# KiCad board SimulTypeUltra.kicad_pcb (continued)
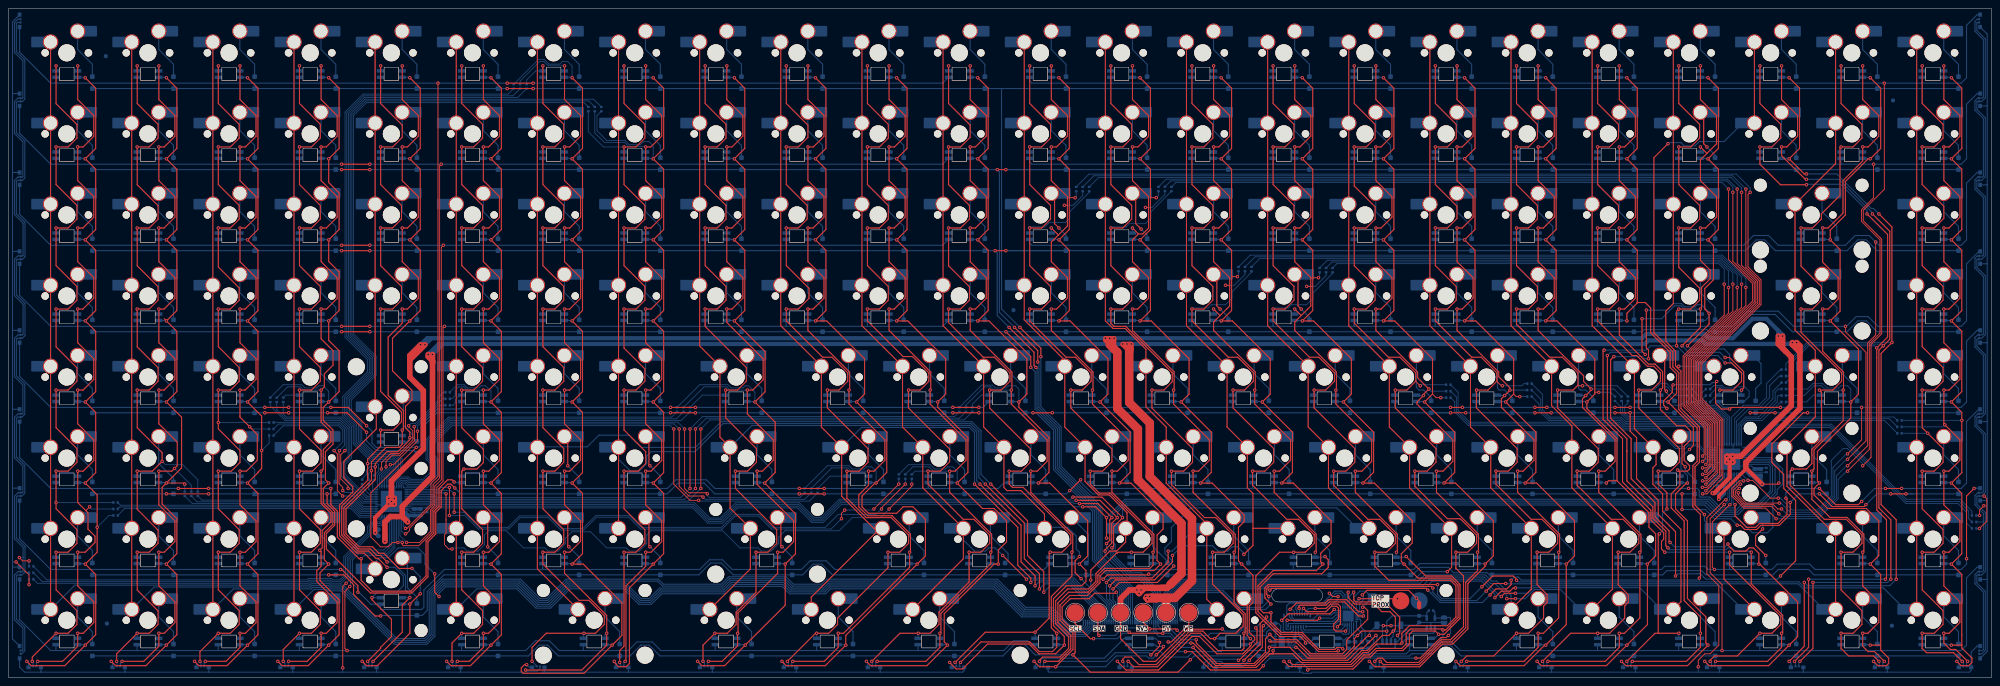
[diagram p0: board, top side]
## Routing (per net, layer and track width the routed paths; a pad name or vN(x,y) marks a point on that pad's centre or on a via; arc(x,y) is an arc through that point) (continued)
  Bottom w0.2: R54.1 v1(11.16,41.13)
  Bottom w0.25: 11.13,66.36 11.13,67.52 v1(11.16,67.54) ; 11.13,47.31 11.13,48.47 v1(11.16,48.49) ; 11.13,142.56 11.13,143.72 v1(11.16,143.75) ; v1(11.16,86.59) 11.13,86.57 11.13,85.41 ; v1(11.16,10.39) 11.13,10.37 11.13,9.21 ; 11.13,28.26 11.13,29.42 v1(11.16,29.44) ; 11.13,123.51 11.13,124.67 v1(11.16,124.69) ; v1(11.16,105.64) 11.13,105.62 11.13,104.46 ; LED190.3 5.77,3.6 v1(5.58,3.79)
/B3c: length 206.8
  Top w0.25: v1(25.39,3.79) 25.39,5.57 v1(30.21,10.39) 33.03,10.39 35.11,12.48 35.11,15.66 30.21,20.55 v1(30.21,29.44) 33.03,29.44 35.11,31.53 35.11,34.63 30.21,39.53 v1(30.21,48.49) 33.77,48.49 v1(36.06,50.78) 36.06,52.86 30.21,58.7 v1(30.21,67.54) 33.03,67.54 35.11,69.63 35.11,72.81 30.21,77.7 v1(30.21,86.59) 33.03,86.59 35.11,88.68 35.11,91.86 30.21,96.75 v1(30.21,105.64) 33.03,105.64 35.11,107.73 35.11,110.91 30.21,115.8 v1(30.21,124.69) 33.03,124.69 35.11,126.78 35.11,130 30.21,134.9 v1(30.21,143.75)
  Bottom w0.2: R55.1 44.44,46.46 40.88,50.02 36.82,50.02 v1(36.06,50.78)
  Bottom w0.25: 30.18,123.51 30.18,124.67 v1(30.21,124.69) ; 30.18,28.26 30.18,29.42 v1(30.21,29.44) ; v1(30.21,86.59) 30.18,86.57 30.18,85.41 ; LED191.3 25.47,3.7 v1(25.39,3.79) ; v1(30.21,10.39) 30.18,10.37 30.18,9.21 ; v1(30.21,105.64) 30.18,105.62 30.18,104.46 ; v1(30.21,67.54) 30.18,67.52 30.18,66.36 ; 30.18,142.56 30.18,143.72 v1(30.21,143.75) ; 30.18,47.31 30.18,48.47 v1(30.21,48.49)
/B4c: length 204.7
  Top w0.25: v1(44.95,3.79) 44.95,6.08 v1(49.26,10.39) 52.08,10.39 54.16,12.48 54.16,15.7 49.26,20.6 v1(49.26,29.44) 52.08,29.44 54.16,31.53 54.16,34.75 49.26,39.65 v1(49.26,48.49) 52.31,48.49 54.34,50.53 54.34,53.34 49.26,58.42 v1(49.26,59.92) v1(49.26,67.54) 52.08,67.54 54.16,69.63 54.16,72.85 49.26,77.75 v1(49.26,86.59) 52.08,86.59 54.16,88.68 54.16,91.57 49.26,96.47 v1(49.26,105.64) 52.08,105.64 54.16,107.73 54.16,110.95 49.26,115.85 v1(49.26,124.69) 52.08,124.69 54.16,126.78 54.16,130 49.26,134.9 v1(49.26,143.75)
  Bottom w0.2: R56.1 v1(49.26,59.92)
  Bottom w0.25: v1(49.26,124.69) 49.23,124.67 LED27.3 ; LED51.3 49.23,105.62 v1(49.26,105.64) ; LED141.3 49.23,29.42 v1(49.26,29.44) ; LED192.3 45.18,3.56 v1(44.95,3.79) ; LED163.3 49.23,10.37 v1(49.26,10.39) ; v1(49.26,143.75) 49.23,143.72 LED3.3 ; LED97.3 49.23,67.52 v1(49.26,67.54) ; LED120.3 49.23,48.47 v1(49.26,48.49) ; v1(49.26,86.59) 49.23,86.57 LED74.3
/B5c: length 196.7
  Top w0.25: v1(68.31,143.75) 68.31,134.9 73.21,130 73.21,126.78 71.13,124.69 v1(68.31,124.69) 68.31,115.85 73.21,110.95 73.21,107.73 71.13,105.64 v1(68.31,105.64) 68.31,96.8 73.21,91.9 73.21,88.68 71.13,86.59 v1(68.31,86.59) 68.31,77.75 73.21,72.85 73.21,69.63 71.13,67.54 v1(68.31,67.54) 68.31,58.42 73.39,53.34 73.39,50.52 71.37,48.49 v1(68.31,48.49) 68.31,39.65 73.21,34.75 73.21,31.53 71.13,29.44 v1(68.31,29.44) 68.31,20.6 73.21,15.7 73.21,12.48 71.13,10.39 v1(68.31,10.39) 64.5,6.58 v1(64.5,3.79)
  Bottom w0.2: LED98.3 65.09,66.36 R57.1
  Bottom w0.25: LED142.3 68.28,29.42 v1(68.31,29.44) ; LED193.3 64.88,3.41 v1(64.5,3.79) ; LED52.3 68.28,105.62 v1(68.31,105.64) ; LED4.3 68.28,143.72 v1(68.31,143.75) ; v1(68.31,48.49) 68.28,48.47 LED121.3 ; v1(68.31,10.39) 68.28,10.37 LED164.3 ; v1(68.31,124.69) 68.28,124.67 LED28.3 ; LED75.3 68.28,86.57 v1(68.31,86.59) ; v1(68.31,67.54) 68.28,67.52 LED98.3
/B6c: length 200.6
  Top w0.25: v1(88.89,25.89) 86.77,28.01 86.26,28.01 84.57,29.7 82.03,29.7 78.22,33.51 78.22,40.24 84.32,46.34 v1(84.32,50.27) 84.32,51.29 87.36,54.34 v1(87.36,58.15) 90.3,58.15 92.26,60.1 92.26,62.35 87.36,67.25 v1(87.36,86.59) 90.18,86.59 92.26,88.68 92.26,91.9 87.36,96.8 v1(87.36,105.64) 90.18,105.64 92.26,107.73 92.26,110.95 87.36,115.85 v1(87.36,124.69) 90.18,124.69 92.44,126.96 92.44,129.82 87.36,134.9 v1(87.36,143.75) ; v1(85.33,18.78) 85.33,18.27 89.9,13.7 89.9,9.63 87.36,7.09 87.36,6.84 v1(84.32,3.79)
  Bottom w0.2: v1(84.32,50.27) 86.6,50.27 86.86,50.02 86.86,48.5 R58.1
  Bottom w0.25: LED194.3 84.59,3.52 v1(84.32,3.79) ; v1(87.36,105.64) 87.33,105.62 LED53.3 ; LED29.3 87.33,124.67 v1(87.36,124.69) ; LED76.3 87.33,86.57 v1(87.36,86.59) ; v1(87.36,58.15) 87.33,58.12 LED99.3 ; v1(87.36,143.75) 87.33,143.72 LED5.3 ; v1(88.89,25.89) 90.67,25.89 92.7,23.86 92.7,21.57 91.17,20.05 86.6,20.05 v1(85.33,18.78) 87.29,18.78 LED143.3
/B7c: length 196.9
  Top w0.25: v1(106.41,143.75) 106.41,134.9 111.31,130 111.31,126.78 109.23,124.69 v1(106.41,124.69) 106.41,115.85 111.31,110.95 111.31,107.73 109.23,105.64 v1(106.41,105.64) 106.41,96.8 111.31,91.9 111.31,88.68 109.23,86.59 v1(106.41,86.59) 106.41,77.75 111.31,72.85 111.31,69.63 109.23,67.54 v1(106.41,67.54) 106.41,58.7 111.49,53.62 111.49,50.52 109.98,49 v1(106.92,49) 106.41,48.49 106.41,39.65 111.31,34.75 111.31,31.53 109.23,29.44 v1(106.41,29.44) 106.41,20.6 111.31,15.7 111.31,12.48 109.23,10.39 v1(106.41,10.39) 104.13,8.11 v1(104.13,3.79)
  Bottom w0.2: 106.38,66.36 105.94,66.36 104.89,65.31 104.89,64.5 104.38,63.99 R59.1
  Bottom w0.25: v1(106.41,67.54) 106.38,67.52 106.38,66.36 ; v1(106.92,49) 106.38,48.47 106.38,47.31 ; v1(106.41,124.69) 106.38,124.67 106.38,123.51 ; 106.38,142.56 106.38,143.72 v1(106.41,143.75) ; v1(106.41,10.39) 106.38,10.37 106.38,9.21 ; v1(104.13,3.79) 104.29,3.63 LED195.3 ; 106.38,28.26 106.38,29.42 v1(106.41,29.44) ; 106.38,104.46 106.38,105.62 v1(106.41,105.64) ; v1(106.41,86.59) 106.38,86.57 106.38,85.41
/B8c: length 212.2
  Top w0.25: v1(122.92,3.79) 122.92,7.09 126.23,10.39 v1(135.12,10.39) 137.8,10.39 139.88,12.48 139.88,14.52 136.27,18.13 133.99,18.13 125.46,26.66 v1(125.46,29.44) 128.28,29.44 130.36,31.53 130.36,34.75 125.46,39.65 v1(125.46,48.49) 128.28,48.49 130.36,50.58 130.36,53.8 125.46,58.7 v1(125.46,67.54) 128.28,67.54 130.36,69.63 130.36,72.85 125.46,77.75 v1(125.46,86.59) 128.28,86.59 130.36,88.68 130.36,91.9 125.46,96.8 v1(125.46,105.64) 128.28,105.64 130.36,107.73 130.36,110.95 125.46,115.85 v1(125.46,124.69) 128.28,124.69 130.36,126.78 130.36,130 125.46,134.9 v1(125.46,143.75)
  Bottom w0.2: 125.43,142.56 123.77,142.56 121.65,140.44 R60.1
  Bottom w0.25: LED166.3 134.96,10.24 v1(135.12,10.39) ; v1(125.46,29.44) 125.43,29.42 125.43,28.26 ; LED196.3 123.99,2.72 v1(122.92,3.79) ; 125.43,66.36 125.43,67.52 v1(125.46,67.54) ; 125.43,47.31 125.43,48.47 v1(125.46,48.49) ; v1(125.46,105.64) 125.43,105.62 125.43,104.46 ; 125.43,123.51 125.43,124.67 v1(125.46,124.69) ; 125.43,142.56 125.43,143.72 v1(125.46,143.75) ; 125.43,85.41 125.43,86.57 v1(125.46,86.59)
/B9c: length 199.4
  Top w0.25: v1(143.5,3.54) 143.5,6.33 144.51,7.35 v1(144.51,29.44) 147.33,29.44 149.41,31.53 149.41,34.75 144.51,39.65 v1(144.51,48.49) 147.82,48.49 149.59,50.27 149.59,53.09 144.51,58.17 v1(144.51,67.54) 147.33,67.54 149.41,69.63 149.41,72.52 144.51,77.42 v1(144.51,86.59) 147.33,86.59 149.41,88.68 149.41,91.9 144.51,96.8 v1(144.51,105.64) 147.33,105.64 149.41,107.73 149.41,110.95 144.51,115.85 v1(144.51,124.69) 147.33,124.69 149.41,126.78 149.41,130 144.51,134.9 v1(144.51,143.75)
  Bottom w0.2: R61.1 136.13,128.25 139.69,124.69 v1(144.51,124.69)
  Bottom w0.25: v1(143.5,3.54) 143.7,3.34 LED197.3 ; LED102.3 144.48,67.52 v1(144.51,67.54) ; v1(144.51,86.59) 144.48,86.57 LED79.3 ; v1(144.51,29.44) 144.48,29.42 LED146.3 ; LED8.3 144.48,143.72 v1(144.51,143.75) ; LED124.3 144.48,48.47 v1(144.51,48.49) ; v1(144.51,124.69) 144.48,124.67 LED32.3 ; v1(144.51,105.64) 144.48,105.62 LED56.3
/B10c: length 206.3
  Top w0.25: v1(163.06,3.79) 163.06,7.6 v1(165.85,10.39) 168.76,10.39 170.84,12.48 170.84,15.37 175.5,20.03 v1(175.5,29.44) 178.28,29.44 180.37,31.53 180.37,34.74 170.68,44.43 v1(170.68,48.49) 173.52,48.49 175.6,50.58 175.6,53.8 168.39,61.02 v1(168.39,67.54) 171.14,67.54 173.22,69.63 173.22,72.85 163.56,82.51 v1(163.56,86.59) 166.38,86.59 168.46,88.68 168.46,91.9 163.56,96.8 v1(163.56,105.64) 166.38,105.64 168.46,107.73 168.46,110.95 163.56,115.85 v1(163.56,124.69) 166.38,124.69 168.46,126.78 168.46,130 163.56,134.9 v1(163.56,143.75)
  Bottom w0.2: LED103.3 162.89,66.36 R62.1
  Bottom w0.25: v1(168.39,67.54) 168.3,67.45 LED103.3 ; v1(165.85,10.39) 165.92,10.33 LED167.3 ; v1(175.5,29.44) 175.44,29.38 LED147.3 ; LED9.3 163.53,143.72 v1(163.56,143.75) ; LED80.3 163.53,86.57 v1(163.56,86.59) ; v1(170.68,48.49) 170.68,48.49 LED125.3 ; v1(163.06,3.79) 163.4,3.44 LED198.3 ; LED33.3 163.53,124.67 v1(163.56,124.69) ; LED57.3 163.53,105.62 v1(163.56,105.64)
/B11c: length 219.7
  Top w0.25: v1(182.61,143.75) 182.61,134.9 187.69,129.82 187.69,126.96 185.43,124.69 v1(182.61,124.69) 182.61,115.85 187.51,110.95 187.51,107.73 185.43,105.64 v1(182.61,105.64) 182.61,96.8 187.95,91.46 187.95,89.12 185.43,86.59 v1(182.61,86.59) 182.61,83.81 191.14,75.28 193.35,75.28 197.03,71.6 197.03,69.63 194.95,67.54 v1(192.27,67.54) 192.27,63.33 201.8,53.8 201.8,50.58 199.71,48.49 v1(196.84,48.49) 196.84,42.14 201.41,37.57 207.24,37.57 211.32,33.5 211.32,31.53 209.24,29.44 v1(206.49,29.44) 206.49,25.79 194.65,13.95 194.65,12.48 192.57,10.39 v1(189.73,10.39) 189.47,10.39 v1(182.87,3.79)
  Bottom w0.2: R63.1 192.86,47.31 LED126.3
  Bottom w0.25: v1(192.27,67.54) 192.11,67.39 LED104.3 ; v1(196.84,48.49) 196.87,48.46 LED126.3 ; LED148.3 206.4,29.35 v1(206.49,29.44) ; v1(189.73,10.39) 189.73,10.39 LED168.3 ; v1(182.61,143.75) 182.58,143.72 LED10.3 ; LED34.3 182.58,124.67 v1(182.61,124.69) ; v1(182.87,3.79) 183.11,3.55 LED199.3 ; LED81.3 182.58,86.57 v1(182.61,86.59) ; LED58.3 182.58,105.62 v1(182.61,105.64)
/B12c: length 215.4
  Top w0.25: v1(201.66,143.75) 201.66,134.9 206.56,130 206.56,126.78 204.48,124.69 v1(201.66,124.69) 201.66,115.85 206.56,110.95 206.56,107.73 204.48,105.64 v1(201.66,105.64) 201.66,96.8 206.56,91.9 206.56,88.68 204.48,86.59 v1(201.66,86.59) 201.66,83.81 210.05,75.42 212.26,75.42 216.08,71.6 216.08,69.63 214,67.54 v1(211.32,67.54) 211.32,63.33 220.97,53.68 220.97,50.7 218.76,48.49 v1(215.89,48.49) 215.89,45.45 224.16,37.18 226.69,37.18 230.37,33.5 230.37,31.53 228.29,29.44 v1(225.54,29.44) 225.54,22.45 218.47,15.37 218.47,12.48 216.38,10.39 v1(213.6,10.39) 209.28,10.39 v1(202.68,3.79)
  Bottom w0.2: v1(215.89,48.49) 212.84,48.49 R64.1
  Bottom w0.25: LED59.3 201.63,105.62 v1(201.66,105.64) ; v1(213.6,10.39) 213.54,10.33 LED169.3 ; v1(215.89,48.49) 215.92,48.46 LED127.3 ; LED35.3 201.63,124.67 v1(201.66,124.69) ; LED149.3 225.45,29.35 v1(225.54,29.44) ; LED11.3 201.63,143.72 v1(201.66,143.75) ; LED105.3 211.16,67.39 v1(211.32,67.54) ; LED82.3 201.63,86.57 v1(201.66,86.59) ; LED200.3 202.81,3.66 v1(202.68,3.79)
/B13c: length 219.9
  Top w0.25: v1(220.71,143.75) 220.71,134.9 225.79,129.82 225.79,126.96 223.53,124.69 v1(220.71,124.69) 220.71,115.85 225.61,110.95 225.61,107.73 223.53,105.64 v1(220.71,105.64) 220.71,96.75 225.61,91.86 225.61,88.68 223.53,86.59 v1(220.71,86.59) 220.71,83.4 228.84,75.28 231.45,75.28 235.13,71.6 235.13,69.63 233.05,67.54 v1(230.37,67.54) 230.37,63.33 239.9,53.8 239.9,50.58 237.81,48.49 v1(234.94,48.49) 234.94,45.45 235.7,44.69 238.23,44.69 249.42,33.5 249.42,31.53 247.34,29.44 v1(244.59,29.44) 244.34,29.19 244.34,13.95 v1(241.03,10.65) 229.35,10.65 v1(222.24,3.54)
  Bottom w0.2: LED106.3 228.42,66.36 226.3,64.24 R65.1
  Bottom w0.25: LED12.3 220.68,143.72 v1(220.71,143.75) ; v1(220.71,124.69) 220.68,124.67 LED36.3 ; v1(230.37,67.54) 230.21,67.39 LED106.3 ; LED177.3 241.03,9.27 v1(241.03,10.65) ; LED83.3 220.68,86.57 v1(220.71,86.59) ; LED201.3 222.52,3.26 v1(222.24,3.54) ; v1(234.94,48.49) 234.97,48.46 LED128.3 ; v1(244.59,29.44) 244.5,29.35 LED150.3 ; v1(220.71,105.64) 220.68,105.62 LED60.3
/B14c: length 256.9
  Top w0.25: v1(239.76,143.75) 239.76,134.9 244.66,130 244.66,126.78 242.58,124.69 v1(239.76,124.69) 239.76,115.85 244.66,110.95 244.66,107.73 242.58,105.64 v1(239.76,105.64) 239.76,96.8 244.66,91.9 244.66,88.68 242.58,86.59 v1(239.76,86.59) 239.76,83.81 248.29,75.28 250.5,75.28 254.18,71.6 254.18,69.63 252.1,67.54 v1(249.42,67.54) 249.42,63.33 259.07,53.68 259.07,50.7 256.86,48.49 v1(253.99,48.49) 253.99,45.45 256.08,43.35 258.62,43.35 268.47,33.5 268.47,31.53 266.39,29.44 v1(263.64,29.44) 260.54,29.44 260.34,29.25 260.14,29.25 255.32,24.42 255.32,22.59 253.54,20.81 248.65,20.81 245.86,18.01 245.86,12.68 248.91,9.63 248.91,6.84 246.88,4.81 242.81,4.81 242.05,4.04 v1(242.05,3.79)
  Bottom w0.2: v1(239.76,105.64) 240.02,105.9 243.32,105.9 244.34,106.91 248.15,106.91 249.16,107.93 249.16,109.45 253.73,114.03 R66.1
  Bottom w0.25: LED178.3 261.95,9.21 257.29,4.55 242.81,4.55 v1(242.05,3.79) 242.22,3.62 LED202.3 ; v1(239.76,105.64) 239.73,105.62 LED61.3 ; LED151.3 263.55,29.35 v1(263.64,29.44) ; v1(239.76,124.69) 239.73,124.67 LED37.3 ; v1(253.99,48.49) 254.02,48.46 LED129.3 ; LED107.3 249.26,67.39 v1(249.42,67.54) ; v1(239.76,143.75) 239.73,143.72 LED13.3 ; LED84.3 239.73,86.57 v1(239.76,86.59)
/B15c: length 247
  Top w0.25: v1(261.61,3.79) 261.61,4.3 262.12,4.81 263.64,4.81 265.42,3.03 269.48,3.03 277.36,10.9 280.4,10.9 282.18,9.12 v1(283.2,9.12) 284.47,10.39 288.18,10.39 289.9,12.12 289.9,14.74 282.69,21.95 v1(282.69,29.44) 285.44,29.44 287.52,31.53 287.52,33.5 283.44,37.57 280.82,37.57 273.04,45.35 v1(273.04,48.49) 275.91,48.49 278,50.58 278,53.8 268.47,63.33 v1(268.47,67.54) 271.26,67.54 273.23,69.52 273.23,71.6 262.3,82.53 259.58,82.53 258.81,83.29 v1(258.81,86.59) 261.63,86.59 263.71,88.68 263.71,91.9 258.81,96.8 v1(258.81,105.64) 261.63,105.64 263.71,107.73 263.71,110.95 258.81,115.85 v1(258.81,124.69) 261.63,124.69 263.71,126.78 263.71,130 258.81,134.9 v1(258.81,143.75)
  Bottom w0.2: v1(258.81,105.64) 259.07,105.9 262.37,105.9 263.13,106.66 266.94,106.66 268.21,107.93 268.21,109.45 273.04,114.28 R67.1
  Bottom w0.25: LED152.3 282.6,29.35 v1(282.69,29.44) ; LED85.3 258.78,86.57 v1(258.81,86.59) ; LED14.3 258.78,143.72 v1(258.81,143.75) ; LED203.3 261.92,3.47 v1(261.61,3.79) ; v1(268.47,67.54) 268.31,67.39 LED108.3 ; LED170.3 284.89,9.12 v1(283.2,9.12) ; v1(258.81,124.69) 258.78,124.67 LED38.3 ; LED130.3 273.07,48.46 v1(273.04,48.49) ; LED62.3 258.78,105.62 v1(258.81,105.64)
/B16c: length 248.2
  Top w0.25: 295.26,12.81 298.44,9.63 303.26,9.63 304.53,8.37 v1(304.53,8.1) ; 295.26,12.81 292.85,15.22 292.85,23.86 298.44,29.44 v1(301.74,29.44) 304.49,29.44 306.57,31.53 306.57,33.5 302.89,37.18 300.1,37.18 292.09,45.19 v1(292.09,48.49) 294.96,48.49 297.05,50.58 297.05,53.8 287.52,63.33 v1(287.52,67.54) 290.2,67.54 292.28,69.63 292.28,71.6 288.6,75.28 286.39,75.28 277.86,83.81 v1(277.86,86.59) 280.68,86.59 282.76,88.68 282.76,91.9 277.86,96.8 v1(277.86,105.64) 280.68,105.64 282.76,107.73 282.76,110.95 277.86,115.85 v1(277.86,124.69) 280.68,124.69 282.76,126.78 282.76,130 277.86,134.9 v1(277.86,143.75) ; 295.26,12.81 294.63,13.44 293.87,12.68 293.87,7.85 v1(290.06,4.04)
  Bottom w0.2: v1(277.86,86.59) 278.12,86.85 281.67,86.85 282.44,87.61 285.74,87.61 287.26,89.13 287.26,90.66 291.83,95.23 R68.1
  Bottom w0.25: v1(277.86,143.75) 277.83,143.72 LED15.3 ; LED153.3 301.65,29.35 v1(301.74,29.44) ; v1(277.86,105.64) 277.83,105.62 LED63.3 ; v1(277.86,124.69) 277.83,124.67 LED39.3 ; LED131.3 292.12,48.46 v1(292.09,48.49) ; v1(290.06,4.04) 290.06,3.79 289.29,3.03 285.48,3.03 284.72,3.79 282.18,3.79 281.63,3.24 LED204.3 ; v1(304.53,8.1) 305.46,8.1 306.57,9.21 LED179.3 ; v1(287.52,67.54) 287.36,67.39 LED109.3 ; v1(277.86,86.59) 277.83,86.57 LED86.3
/B17c: length 268.8
  Top w0.25: v1(296.91,143.75) 296.91,134.9 301.81,130 301.81,126.78 299.73,124.69 v1(296.91,124.69) 296.91,115.85 301.81,110.95 301.81,107.73 299.73,105.64 v1(296.91,105.64) 296.91,96.8 301.81,91.9 301.81,88.68 299.73,86.59 v1(296.91,86.59) 296.91,83.81 305.44,75.28 307.65,75.28 311.33,71.6 311.33,69.63 309.25,67.54 v1(306.57,67.54) 306.57,63.33 316.1,53.8 316.1,50.58 314.01,48.49 v1(311.14,48.49) 311.14,45.19 319.15,37.18 321.94,37.18 325.62,33.5 325.62,31.53 323.54,29.44 v1(320.79,29.44) 320.79,26.14 324.09,22.84 338.57,22.84 339.84,21.57 339.84,14.2 337.81,12.17 328.92,12.17 327.14,10.39 v1(327.14,8.11) 326.89,7.85 321.17,7.85 319.2,5.88 318.05,5.88 315.2,3.03 301.49,3.03 v1(300.72,3.79)
  Bottom w0.2: R69.1 310.88,94.98 306.31,90.4 306.31,89.13 304.79,87.61 301.23,87.61 300.47,86.85 297.17,86.85 v1(296.91,86.59)
  Bottom w0.25: LED132.3 311.17,48.46 v1(311.14,48.49) ; LED87.3 296.88,86.57 v1(296.91,86.59) ; LED154.3 320.7,29.35 v1(320.79,29.44) ; LED180.3 328.24,9.21 v1(327.14,8.11) ; v1(296.91,124.69) 296.88,124.67 LED40.3 ; LED205.3 301.33,3.07 301.12,3.28 301.12,3.39 v1(300.72,3.79) ; LED64.3 296.88,105.62 v1(296.91,105.64) ; LED110.3 306.41,67.39 v1(306.57,67.54) ; v1(296.91,143.75) 296.88,143.72 LED16.3
/B18c: length 222.4
  Top w0.2: 330.33,69.58 330.44,69.58 v1(331.46,68.56)
  Top w0.25: v1(320.79,3.79) 321.55,4.55 322.57,4.55 323.59,3.54 331.07,3.54 336.41,8.87 338.57,8.87 341.62,11.92 341.62,23.86 339.84,25.63 v1(339.84,29.44) 342.59,29.44 344.67,31.53 344.67,33.5 340.85,37.32 337.84,37.32 330.19,44.97 v1(330.19,48.49) 333.06,48.49 335.15,50.58 335.15,53.8 325.62,63.33 v1(325.62,67.54) 328.3,67.54 330.38,69.63 330.38,71.6 326.7,75.28 323.98,75.28 315.96,83.29 v1(315.96,86.59) 318.78,86.59 320.86,88.68 320.86,91.86 315.96,96.75 v1(315.96,105.64) 318.78,105.64 320.86,107.73 320.86,110.62 315.96,115.52 v1(315.96,124.69) 318.78,124.69 320.86,126.78 320.86,130 315.96,134.9 v1(315.96,143.75)
  Bottom w0.2: R70.1 331.71,68.81 v1(331.46,68.56)
  Bottom w0.25: v1(339.84,29.44) 339.75,29.35 LED155.3 ; LED111.3 325.46,67.39 v1(325.62,67.54) ; LED88.3 315.93,86.57 v1(315.96,86.59) ; LED65.3 315.93,105.62 v1(315.96,105.64) ; v1(330.19,48.49) 330.22,48.46 LED133.3 ; LED17.3 315.93,143.72 v1(315.96,143.75) ; v1(315.96,124.69) 315.93,124.67 LED41.3 ; LED206.3 321.04,3.54 v1(320.79,3.79)
/B19c: length 220.3
  Top w0.2: 349.43,69.63 349.43,69.61 350.49,68.56 v1(350.76,68.56)
  Top w0.25: v1(335.01,143.75) 335.01,134.9 339.91,130 339.91,126.78 337.83,124.69 v1(335.01,124.69) 335.01,115.85 340.09,110.77 340.09,107.91 337.83,105.64 v1(335.01,105.64) 335.01,96.8 339.91,91.9 339.91,88.68 337.83,86.59 v1(335.01,86.59) 335.01,83.81 343.54,75.28 345.75,75.28 349.43,71.6 349.43,69.63 347.35,67.54 v1(344.67,67.54) 344.67,63.33 354.2,53.8 354.2,50.58 352.11,48.49 v1(349.24,48.49) 349.24,45.45 357.51,37.18 360.04,37.18 363.72,33.5 363.72,31.53 361.64,29.44 v1(358.89,29.44) 358.89,21.82 361.25,19.46 361.25,17.6 360.41,16.77 360.41,13.93 356.88,10.39 v1(354.06,10.39) 348.73,5.06 342.38,5.06 v1(341.11,3.79)
  Bottom w0.2: R71.1 355.84,69.07 355.33,68.56 v1(350.76,68.56)
  Bottom w0.25: v1(335.01,124.69) 334.98,124.67 LED42.3 ; v1(341.11,3.79) 340.74,3.42 LED207.3 ; LED134.3 349.27,48.46 v1(349.24,48.49) ; v1(335.01,86.59) 334.98,86.57 LED89.3 ; v1(335.01,143.75) 334.98,143.72 LED18.3 ; v1(354.06,10.39) 354.03,10.37 LED171.3 ; v1(344.67,67.54) 344.51,67.39 LED112.3 ; LED66.3 334.98,105.62 v1(335.01,105.64) ; v1(358.89,29.44) 358.8,29.35 LED156.3
/B20c: length 226.3
  Top w0.2: 368.48,68.69 368.61,68.56 v1(369.56,68.56)
  Top w0.25: v1(360.16,3.79) 366.76,10.39 v1(373.11,10.39) 375.93,10.39 379.46,13.93 379.46,16.83 380.3,17.66 380.3,19.46 377.94,21.82 v1(377.94,29.44) 380.69,29.44 382.77,31.53 382.77,33.5 379.09,37.18 376.3,37.18 368.29,45.19 v1(368.29,48.49) 371.16,48.49 373.25,50.58 373.25,53.8 363.72,63.33 v1(363.72,67.54) 367.34,67.54 368.48,68.69 368.48,71.6 364.8,75.28 361.83,75.28 354.06,83.04 v1(354.06,86.59) 356.88,86.59 358.96,88.68 358.96,91.9 354.06,96.8 v1(354.06,105.64) 356.88,105.64 358.96,107.73 358.96,110.95 354.06,115.85 v1(354.06,124.69) 356.88,124.69 358.96,126.78 358.96,130 354.06,134.9 v1(354.06,143.75)
  Bottom w0.2: v1(369.56,68.56) 377.69,68.56 R72.1
  Bottom w0.25: v1(354.06,105.64) 354.03,105.62 LED67.3 ; v1(368.29,48.49) 368.32,48.46 LED135.3 ; LED157.3 377.85,29.35 v1(377.94,29.44) ; LED90.3 354.03,86.57 v1(354.06,86.59) ; LED19.3 354.03,143.72 v1(354.06,143.75) ; v1(363.72,67.54) 363.56,67.39 LED113.3 ; LED172.3 373.08,10.37 v1(373.11,10.39) ; v1(354.06,124.69) 354.03,124.67 LED43.3 ; v1(360.16,3.79) 360.44,3.51 LED208.3
/B21c: length 208.5
  Top w0.25: v1(389.37,39.6) 389.37,43.41 387.34,45.45 v1(387.34,48.49) 390.21,48.49 392.3,50.58 392.3,53.8 382.77,63.33 v1(382.77,67.54) 385.81,67.54 387.85,69.58 387.85,71.57 386.29,73.13 384.8,73.13 382.26,75.67 381.25,75.67 373.11,83.81 v1(373.11,86.59) 375.93,86.59 378.01,88.68 378.01,91.9 373.11,96.8 v1(373.11,105.64) 375.93,105.64 378.01,107.73 378.01,110.95 373.11,115.85 v1(373.11,124.69) 375.93,124.69 378.01,126.78 378.01,130 373.11,134.9 v1(373.11,143.75) ; v1(379.97,3.79) 386.58,10.39 387.34,10.39 ; v1(392.16,10.39) 387.34,10.39 ; 387.34,10.39 387.34,33.51 v1(387.59,33.76)
  Bottom w0.2: v1(382.77,67.54) 383.02,67.8 386.58,67.8 387.85,69.07 389.37,69.07 390.64,67.8 R73.1
  Bottom w0.25: v1(373.11,86.59) 373.08,86.57 LED91.3 ; LED68.3 373.08,105.62 v1(373.11,105.64) ; LED209.3 380.15,3.61 v1(379.97,3.79) ; v1(389.37,39.6) 388.35,38.59 388.35,34.52 v1(387.59,33.76) ; v1(382.77,67.54) 382.61,67.39 LED114.3 ; LED44.3 373.08,124.67 v1(373.11,124.69) ; LED136.3 387.37,48.46 v1(387.34,48.49) ; 392.13,9.21 392.13,10.37 v1(392.16,10.39) ; v1(373.11,143.75) 373.08,143.72 LED20.3
/B22c: length 250.4
  Top w0.25: v1(399.53,3.79) 399.53,4.04 400.55,5.06 405.88,5.06 v1(411.21,10.39) 414.03,10.39 416.11,12.48 416.11,14.45 404.1,26.45 v1(404.1,29.44) ; v1(392.16,143.75) 392.16,134.9 397.06,130 397.06,126.78 394.98,124.69 v1(392.16,124.69) 392.16,115.85 397.06,110.95 397.06,107.73 394.98,105.64 v1(392.16,105.64) 392.16,96.4 397.06,91.5 397.06,88.68 394.98,86.59 v1(392.16,86.59) 391.66,86.09 v1(391.66,77.96) ; v1(403.06,73.92) 404.58,73.92 406.9,71.61 406.9,69.58 404.86,67.54 v1(401.82,67.54) ; v1(374.64,76.94) 374.38,76.69 374.38,60.69 378.96,56.11 378.96,45.95 385.6,39.31 385.6,37.02 388.61,34.02 388.61,32.49 388.1,31.98 388.1,30.21 v1(388.86,29.44)
  Bottom w0.2: R74.1 401.14,66.36 LED115.3
  Bottom w0.25: 392.13,142.56 392.13,143.72 v1(392.16,143.75) ; v1(401.82,67.54) 401.66,67.39 LED115.3 ; 392.13,123.51 392.13,124.67 v1(392.16,124.69) ; 392.13,104.46 392.13,105.62 v1(392.16,105.64) ; v1(411.21,10.39) 411.18,10.37 LED174.3 ; v1(388.86,29.44) v1(404.1,29.44) 404.04,29.38 LED158.3 ; v1(374.64,76.94) 384.54,76.94 385.56,77.96 v1(391.66,77.96) 393.94,75.67 401.31,75.67 v1(403.06,73.92) ; v1(399.53,3.79) 399.85,3.47 LED210.3 ; v1(392.16,86.59) 392.13,86.57 392.13,85.41
/B23c: length 218.7
  Top w0.25: v1(411.21,143.75) 411.21,134.9 416.11,130 416.11,126.78 414.03,124.69 v1(411.21,124.69) 411.21,120.63 416.04,115.8 v1(422.14,115.8) ; v1(440.68,23.09) 440.93,23.35 440.93,37.06 438.65,39.35 438.65,75.16 438.64,75.17 v1(438.64,77.46) 441.19,80 441.19,104.12 v1(436.36,108.95) ; v1(422.64,23.09) 422.64,7.09 v1(419.34,3.79)
  Bottom w0.2: v1(438.64,77.46) 438.14,77.96 422.64,77.96 419.09,74.4 419.09,71.1 R75.1
  Bottom w0.25: v1(436.36,108.95) 436.36,109.71 430.15,115.92 422.25,115.92 v1(422.14,115.8) ; LED46.3 411.18,124.67 v1(411.21,124.69) ; v1(419.34,3.79) 419.56,3.57 LED211.3 ; v1(440.68,23.09) v1(422.64,23.09) ; v1(411.21,143.75) 411.18,143.72 LED22.3
/B24c: length 216.8
  Top w0.25: v1(430.26,143.75) 430.26,134.9 435.16,130 435.16,126.78 433.08,124.69 v1(430.26,124.69) 430.01,124.44 430.01,113.32 425.63,108.95 425.63,107.73 423.55,105.64 v1(420.87,105.64) 420.87,96.67 425.63,91.9 425.63,88.68 423.55,86.59 v1(420.87,86.59) 420.87,81.13 430.4,71.6 430.4,69.63 428.31,67.54 v1(425.18,67.54) 425.69,67.04 425.69,55.91 423.41,53.62 423.41,50.27 422.14,49 v1(418.83,49) 418.33,48.49 418.33,45.19 426.34,37.18 431.48,37.18 435.16,33.5 435.16,31.53 433.08,29.44 v1(430.26,29.44) 430.26,20.6 435.16,15.7 435.16,12.48 433.08,10.39 v1(430.26,10.39) 430.26,6.84 432.04,5.06 437.88,5.06 v1(439.15,3.79)
  Bottom w0.2: R76.1 422.14,64.75 423.75,66.36 LED116.3
  Bottom w0.25: LED212.3 439.26,3.68 v1(439.15,3.79) ; LED47.3 430.23,124.67 v1(430.26,124.69) ; LED159.3 430.23,29.42 v1(430.26,29.44) ; v1(420.87,86.59) 420.71,86.44 LED93.3 ; v1(420.87,105.64) 420.71,105.49 LED70.3 ; LED116.3 425.47,67.26 v1(425.18,67.54) ; LED137.3 418.33,48.5 v1(418.83,49) ; v1(430.26,143.75) 430.23,143.72 LED23.3 ; LED175.3 430.23,10.37 v1(430.26,10.39)
/B25c: length 204.6
  Top w0.25: v1(458.71,3.79) 456.68,5.82 450.33,5.82 449.31,6.84 v1(449.31,10.39) 452.13,10.39 454.21,12.48 454.21,15.7 449.31,20.6 v1(449.31,29.44) 452.13,29.44 454.21,31.53 454.21,34.75 449.31,39.65 v1(449.31,48.49) 452.13,48.49 454.21,50.58 454.21,53.8 v1(450.6,57.41) 449.31,58.7 v1(449.31,67.54) 452.13,67.54 454.21,69.63 454.21,72.85 449.31,77.75 v1(449.31,86.59) 452.13,86.59 454.21,88.68 454.21,91.9 449.31,96.8 v1(449.31,105.64) 452.13,105.64 454.39,107.91 454.39,110.77 449.31,115.85 v1(449.31,124.69) 452.13,124.69 454.21,126.78 454.21,130 449.31,134.9 v1(449.31,143.75)
  Bottom w0.2: v1(450.6,57.41) 450.58,57.38 R77.1
  Bottom w0.25: LED213.3 458.97,3.54 v1(458.71,3.79) ; v1(449.31,143.75) 449.28,143.72 LED24.3 ; LED117.3 449.28,67.52 v1(449.31,67.54) ; v1(449.31,86.59) 449.28,86.57 LED94.3 ; LED48.3 449.28,124.67 v1(449.31,124.69) ; v1(449.31,105.64) 449.28,105.62 LED71.3 ; LED160.3 449.28,29.42 v1(449.31,29.44) ; v1(449.31,10.39) 449.28,10.37 LED176.3 ; LED138.3 449.28,48.47 v1(449.31,48.49)
